# KiCad board LogicBoard_tht2.kicad_pcb
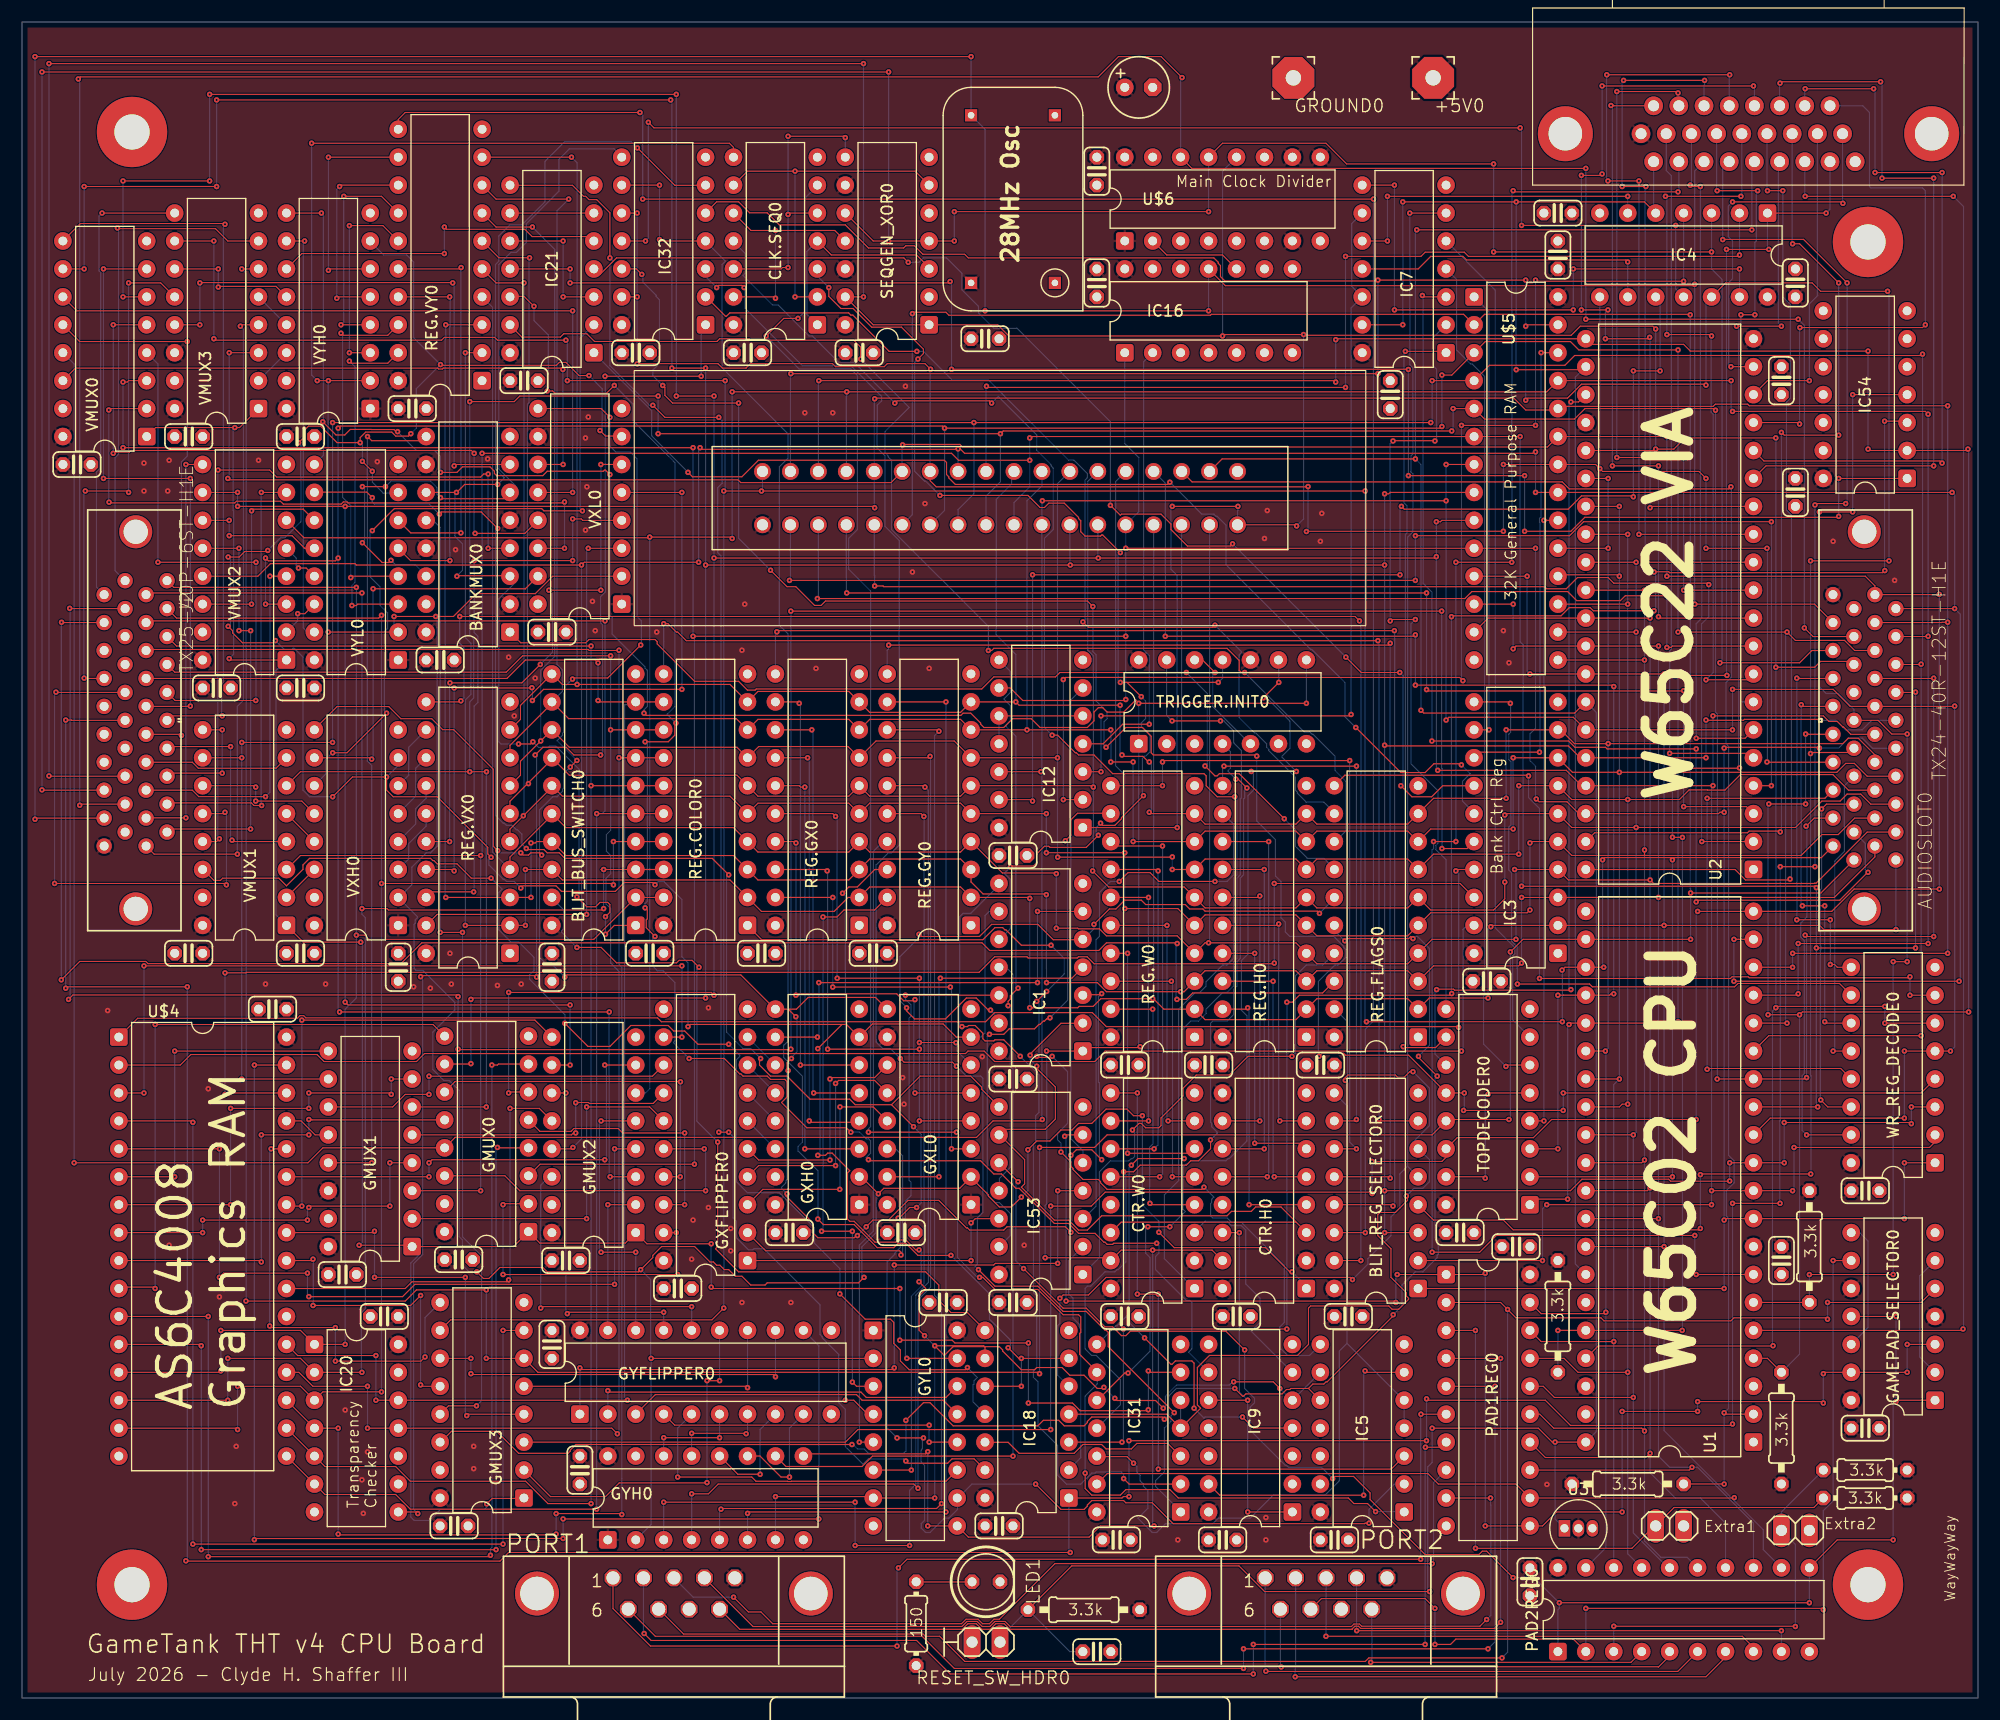
[diagram p0: board, top side]
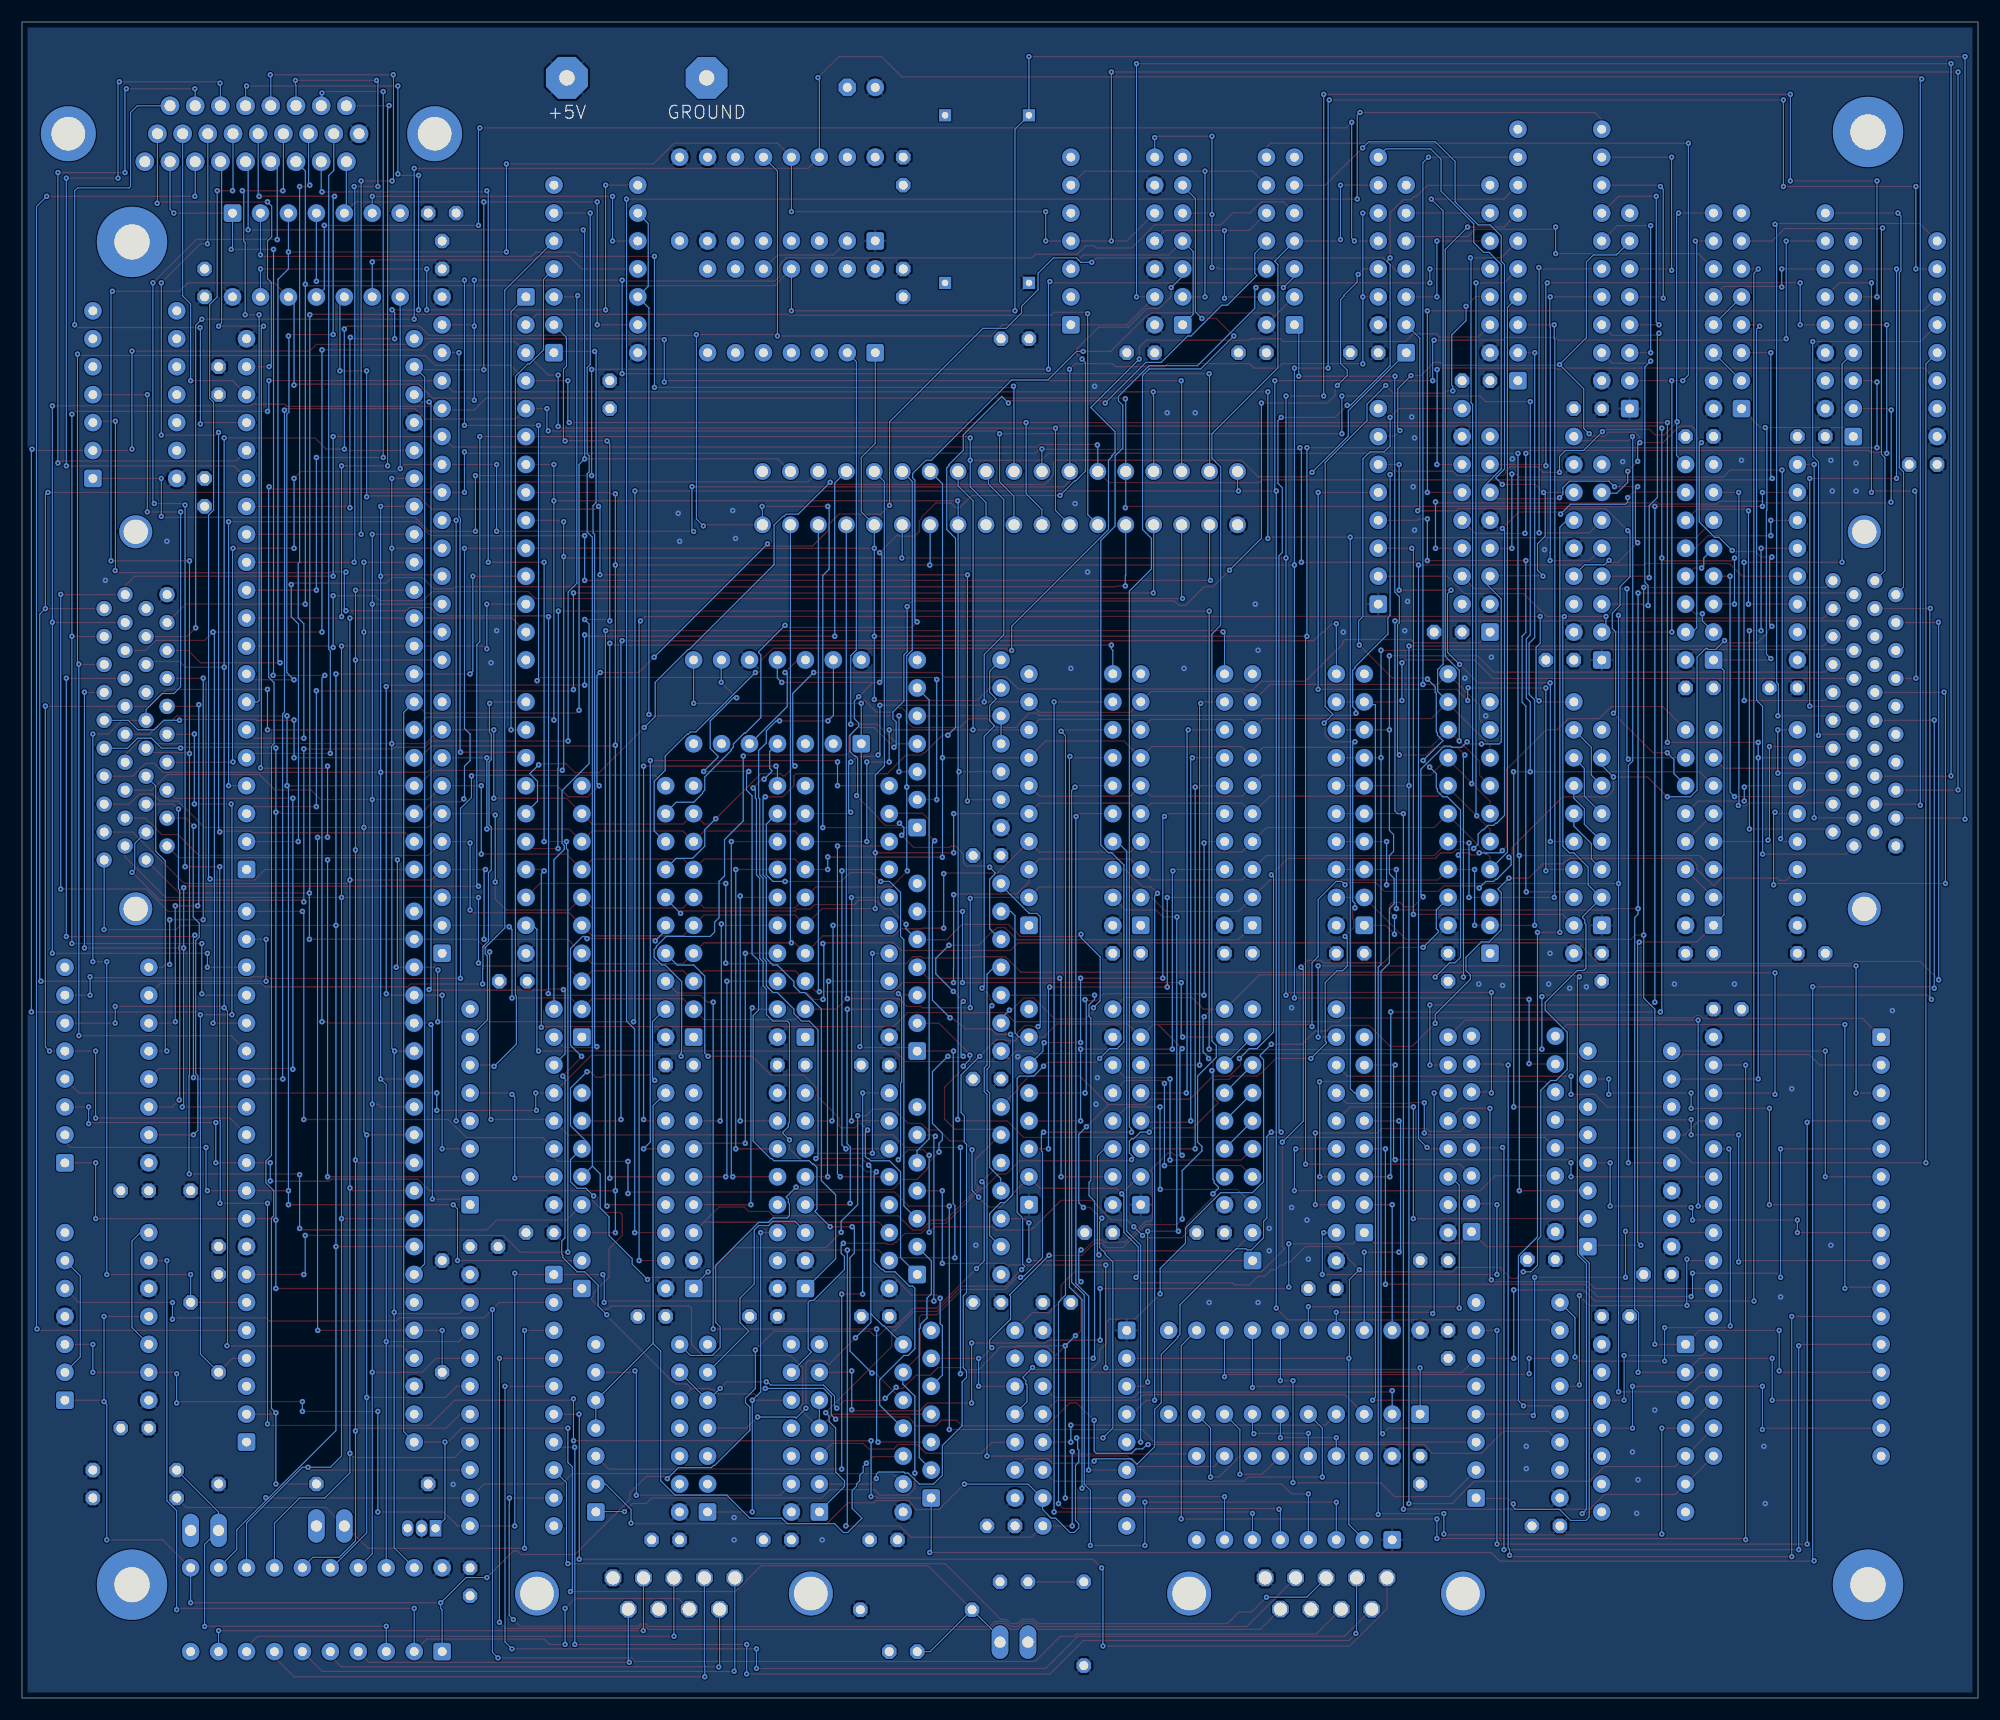
[diagram p1: board, bottom side, seen from below]

Outline 177.8 x 152.4 mm; copper layers: Top, In1.Cu, In2.Cu, Bottom. Coordinates in mm from the lower left corner of the outline.
Outline path: 0,152.4 0,0 177.8,0 177.8,152.4 0,152.4
Stack: Top 0.035mm / dielectric 0.1mm FR4 er 4.5 / In1.Cu 0.035mm / dielectric 1.24mm FR4 er 4.5 / In2.Cu 0.035mm / dielectric 0.1mm FR4 er 4.5 / Bottom 0.035mm

## Placement (name value [footprint] x y rotation side)
+5V0  3,81/1,4  [3,81_1,4]  128.27 147.32 0 top
AUDIOSLOT0  TX24-40R-12ST-H1E  [CON40_2X20_MU_TX24_JAE]  163.47 88.9 90 top
BANKMUX0  74257N  [DIP-16_W7.62mm]  44.36 96.93 180 top
BLIT_BUS_SWITCH0  74640N  [DIP-20_W7.62mm]  55.79 70.26 180 top
BLIT_REG_SELECTOR0  74HC238  [DIP-16_W7.62mm]  126.91 37.24 180 top
C1  C-US025-024X044  [C025-024X044]  77.38 67.72 180 top
C2  C-US025-024X044  [C025-024X044]  100.24 34.7 0 top
C3  C-US025-024X044  [C025-024X044]  107.87 57.56 180 top
C4  C-US025-024X044  [C025-024X044]  110.4 34.7 0 top
C5  C-US025-024X044  [C025-024X044]  100.24 57.56 0 top
C6  C-US025-024X044  [C025-024X044]  67.22 67.72 180 top
C7  C-US025-024X044  [C025-024X044]  49.44 39.78 0 top
C8  C-US025-024X044  [C025-024X044]  39.69 39.87 0 top
C9  C-US025-024X044  [C025-024X044]  39.28 15.65 0 top
C10  C-US025-024X044  [C025-024X044]  109.14 14.38 0 top
C11  C-US025-024X044  [C025-024X044]  88.81 15.65 0 top
C12  C-US025-024X044  [C025-024X044]  65.95 122.33 0 top
C13  C-US025-024X044  [C025-024X044]  32.93 34.7 180 top
C14  C-US025-024X044  [C025-024X044]  167.55 46.13 0 top
C15  C-US025-024X044  [C025-024X044]  159.93 39.78 270 top
C16  C-US025-024X044  [C025-024X044]  50.71 20.73 270 top
C17  C-US025-024X044  [C025-024X044]  161.2 109.63 270 top
C18  C-US025-024X044  [C025-024X044]  76.11 122.33 0 top
C19  C-US025-024X044  [C025-024X044]  119.3 14.38 0 top
C20  C-US025-024X044  [C025-024X044]  118.03 57.56 180 top
C21  C-US025-024X044  [C025-024X044]  25.31 114.71 0 top
C22  C-US025-024X044  [C025-024X044]  25.31 67.72 180 top
C23  C-US025-024X044  [C025-024X044]  69.76 42.32 0 top
C24  C-US025-024X044  [C025-024X044]  45.63 119.79 0 top
C25  C-US025-024X044  [C025-024X044]  48.17 66.45 270 top
C26  C-US025-024X044  [C025-024X044]  25.31 91.85 180 top
C27  C-US025-024X044  [C025-024X044]  48.17 96.93 0 top
C28  C-US025-024X044  [C025-024X044]  83.73 35.97 180 top
C29  C-US025-024X044  [C025-024X044]  79.92 42.32 0 top
C30  C-US025-024X044  [C025-024X044]  161.2 128.68 90 top
C31  C-US025-024X044  [C025-024X044]  35.47 117.25 0 top
C32  C-US025-024X044  [C025-024X044]  34.2 66.45 270 top
C33  C-US025-024X044  [C025-024X044]  124.37 118.52 270 top
C34  C-US025-024X044  [C025-024X044]  135.8 41.05 0 top
C35  C-US025-024X044  [C025-024X044]  137.07 10.57 270 top
C36  C-US025-024X044  [C025-024X044]  167.55 24.54 0 top
C38  C-US025-024X044  [C025-024X044]  159.93 119.79 270 top
C39  C-US025-024X044  [C025-024X044]  139.61 131.22 90 top
C40  C-US025-024X044  [C025-024X044]  90.08 76.61 0 top
C41  C-US025-024X044  [C025-024X044]  97.7 128.67 270 top
C42  C-US025-024X044  [C025-024X044]  97.7 138.84 270 top
C43  C-US025-024X044  [C025-024X044]  87.54 123.6 0 top
C44  C-US025-024X044  [C025-024X044]  130.72 42.32 0 top
C45  C-US025-024X044  [C025-024X044]  120.56 34.7 0 top
C46  C-US025-024X044  [C025-024X044]  59.6 37.24 0 top
C47  0.1uF  [C025-024X044]  97.7 4.22 0 top
C48  0.1uF  [C025-024X044]  15.15 114.71 0 top
C49  0.1uF  [C025-024X044]  15.15 67.72 180 top
C50  0.1uF  [C025-024X044]  133.15 65.18 0 top
C51  0.1uF  [C025-024X044]  38.01 94.39 0 top
C52  0.1uF  [C025-024X044]  22.77 62.64 180 top
C53  0.1uF  [C025-024X044]  57.06 67.72 180 top
C54  0.1uF  [C025-024X044]  99.48 14.38 0 top
C55  0.1uF  [C025-024X044]  17.69 91.85 0 top
C56  0.1uF  [C025-024X044]  4.99 112.17 0 top
C57  C-US025-024X044  [C025-024X044]  139.61 135.03 180 top
C58  CPOL-USE2.5-6  [E2,5-6]  101.51 146.46 0 top
C59  0.1uF  [C025-024X044]  48.17 32.16 270 top
C60  0.1uF  [C025-024X044]  90.08 35.97 0 top
C61  0.1uF  [C025-024X044]  90.08 56.29 0 top
C62  0.1uF  [C025-024X044]  55.79 122.33 0 top
C63  0.1uF  [C025-024X044]  29.12 38.51 0 top
CLK.SEQ0  7408N  [DIP-14_W7.62mm]  72.3 124.87 180 top
CTR.H0  CD40103  [DIP-16_W7.62mm]  116.75 37.24 180 top
CTR.W0  CD40103  [DIP-16_W7.62mm]  106.59 37.24 180 top
EXTRA_BUTTON_1  PINHD-1X2  [1X02]  149.77 15.65 0 top
EXTRA_BUTTON_2  PINHD-1X2  [1X02]  161.2 15.24 0 top
GAMEPAD_SELECTOR0  7474N  [DIP-14_W7.62mm]  173.9 27.08 180 top
GMUX0  74257N  [DIP-16_W7.62mm]  46.04 42.41 180 top
GMUX1  74257N  [DIP-16_W7.62mm]  35.47 41.05 180 top
GMUX2  74257N  [DIP-16_W7.62mm]  55.79 42.32 180 top
GMUX3  74257N  [DIP-16_W7.62mm]  45.63 18.19 180 top
GROUND0  3,81/1,4  [3,81_1,4]  115.57 147.32 0 top
GXFLIPPER0  74AHC8541  [DIP-20_W7.62mm]  65.95 39.78 180 top
GXH0  74HC163  [DIP-16_W7.62mm]  76.11 44.86 180 top
GXL0  74HC163  [DIP-16_W7.62mm]  86.27 44.86 180 top
GYFLIPPER0  74AHC8541  [DIP-20_W7.62mm]  50.71 25.81 90 top
GYH0  74HC163  [DIP-16_W7.62mm]  53.25 14.38 90 top
GYL0  74HC163  [DIP-16_W7.62mm]  77.39 33.43 0 top
H1  MountingHole_Pad  [MountingHole_3.2mm_M3_Pad_TopBottom]  10 142.4 0 top
H2  MountingHole_Pad  [MountingHole_3.2mm_M3_Pad_TopBottom]  10 10.3 0 top
H3  MountingHole_Pad  [MountingHole_3.2mm_M3_Pad_TopBottom]  167.8 10.3 0 top
H4  MountingHole_Pad  [MountingHole_3.2mm_M3_Pad_TopBottom]  167.8 132.4 0 top
IC1  7408N  [DIP-14_W7.62mm]  96.43 58.83 180 top
IC3  74573N  [DIP-20_W7.62mm]  139.61 67.72 180 top
IC4  7404N  [DIP-14_W7.62mm]  158.66 135.02 270 top
IC5  7400N  [DIP-14_W7.62mm]  125.64 16.92 180 top
IC7  7408N  [DIP-14_W7.62mm]  129.45 122.33 180 top
IC9  7474N  [DIP-14_W7.62mm]  115.48 16.92 180 top
IC12  7408N  [DIP-14_W7.62mm]  96.43 79.15 180 top
IC16  7404N  [DIP-14_W7.62mm]  100.24 122.33 90 top
IC18  7432N  [DIP-14_W7.62mm]  95.16 18.19 180 top
IC20  7430N  [DIP-14_W7.62mm]  26.59 32.16 0 top
IC21  7400N  [DIP-14_W7.62mm]  51.98 122.33 180 top
IC31  7400N  [DIP-14_W7.62mm]  105.32 16.92 180 top
IC32  7432N  [DIP-14_W7.62mm]  62.14 124.87 180 top
IC53  7404N  [DIP-14_W7.62mm]  96.43 38.51 180 top
IC54  7407N  [DIP-14_W7.62mm]  171.36 110.9 180 top
J1  Conn_01x26_Socket  [HDL26-SL-B]  148.31 139.7 0 top
J2  TX25-40P-6ST-H1E  [CON40_2X20_MU_TX25_JAE]  14.33 88.9 270 top
LED1  -  [LED5MM]  87.63 10.57 0 top
PAD1REG0  74573N  [DIP-20_W7.62mm]  129.46 38.51 0 top
PAD2REG0  74573N  [DIP-20_W7.62mm]  139.61 4.22 90 top
PORT1  M09-182  [182-009-MALE]  59.26 0 0 top
PORT2  M09-182  [182-009-MALE]  118.54 0 0 top
R1  3.3k  [0207_10]  145.96 19.46 180 top
R2  3.3k  [0207_10]  96.52 8.03 180 top
R3  3.3k  [0207_10]  162.47 41.05 270 top
R4  3.3k  [0207_10]  159.93 24.54 90 top
R5  3.3k  [0207_10]  139.61 34.7 90 top
R6  3.3k  [0204_7]  167.55 20.73 180 top
R7  3.3k  [0204_7]  167.55 18.19 180 top
R16  150  [0204_7]  81.28 6.76 90 top
REG.COLOR0  74573N  [DIP-20_W7.62mm]  65.95 70.26 180 top
REG.FLAGS0  74573N  [DIP-20_W7.62mm]  126.91 60.1 180 top
REG.GX0  74573N  [DIP-20_W7.62mm]  76.11 70.26 180 top
REG.GY0  74573N  [DIP-20_W7.62mm]  86.27 70.26 180 top
REG.H0  74573N  [DIP-20_W7.62mm]  116.75 60.1 180 top
REG.VX0  74573N  [DIP-20_W7.62mm]  44.36 67.72 180 top
REG.VY0  74573N  [DIP-20_W7.62mm]  41.82 119.79 180 top
REG.W0  74573N  [DIP-20_W7.62mm]  106.59 60.1 180 top
RESET_SW_HDR0  PINHD-1X2  [1X02]  87.63 5.08 0 top
SEQGEN_XOR0  7486N  [DIP-14_W7.62mm]  82.46 124.87 180 top
TOPDECODER0  74139N  [DIP-16_W7.62mm]  137.07 44.86 180 top
TRIGGER.INIT0  7474N  [DIP-14_W7.62mm]  101.51 86.77 90 top
U1  W65C02SP  [DIP-40_W15.24mm]  157.39 23.27 180 top
U2  VIA  [DIP-40_W15.24mm]  157.39 75.34 180 top
U3  MCP100-475D  [TO-92_Inline]  140.21 15.43 0 top
U$2  OSCILLATORMODULEDIL14  [CRYSTAL800MIL]  93.89 128.68 90 top
U$3  GT_CART3GT_SLOT  [SLOT36]  88.9 106.68 0 top
U$4  AS6C4008  [DIP-32_W15.24mm]  8.8 60.1 0 top
U$5  SRAM_32K  [DIP-28_W7.62mm]  132 127.41 0 top
U$6  74HC163  [DIP-16_W7.62mm]  100.24 132.49 90 top
VMUX0  74257N  [DIP-16_W7.62mm]  11.34 114.71 180 top
VMUX1  74257N  [DIP-16_W7.62mm]  24.04 70.26 180 top
VMUX2  74257N  [DIP-16_W7.62mm]  24.04 94.39 180 top
VMUX3  74257N  [DIP-16_W7.62mm]  21.5 117.25 180 top
VXH0  74HC163  [DIP-16_W7.62mm]  34.2 70.26 180 top
VXL0  74HC163  [DIP-16_W7.62mm]  54.52 99.47 180 top
VYH0  74HC163  [DIP-16_W7.62mm]  31.66 117.25 180 top
VYL0  74HC163  [DIP-16_W7.62mm]  34.2 94.39 180 top
WR_REG_DECODE0  74HC238  [DIP-16_W7.62mm]  173.9 48.67 180 top

## Library data of the parts
BANKMUX0 BLIT_BUS_SWITCH0 BLIT_REG_SELECTOR0 CLK.SEQ0 CTR.H0 CTR.W0 GAMEPAD_SELECTOR0 GMUX0-GMUX3 GXFLIPPER0 GXH0 GXL0 GYFLIPPER0 GYH0 GYL0 IC1 IC3-IC5 IC7 IC9 IC12 IC16 IC18 IC20 IC21 IC31 IC32 IC53 IC54 PAD1REG0 PAD2REG0 REG.COLOR0 REG.FLAGS0 REG.GX0 REG.GY0 REG.H0 REG.VX0 REG.VY0 REG.W0 SEQGEN_XOR0 TOPDECODER0 TRIGGER.INIT0 U1 U2 U$4-U$6 VMUX0-VMUX3 VXH0 VXL0 VYH0 VYL0 WR_REG_DECODE0 = -: KiLib_Generator: package/DIP/legacy
H1-H4 = -: KiLib_Generator: mounting_hardware/mounting_hole; MPN: DNI; ki_fp_filters: MountingHole*Pad*
J1 = -: MPN: HDL26-SL-B; ki_fp_filters: Connector*:*_1x??_*
U3 = -: Datasheet: http://ww1.microchip.com/downloads/en/DeviceDoc/11187f.pdf; Description: Microcontroller reset monitor, 4.75V threshold, active low output; ki_fp_filters: SOT?23* TO?92*

## Footprints (pads in the part's own frame, mm; a bottom-side part is the same pattern mirrored in y, then rotated)
1X02
  oval 1.524x3.048 hole 1.016: 1(-1.27,0) 2(1.27,0)
3,81_1,4
  rrect 3.81x3.81 hole 1.397: 1(0,0)
182-009-MALE
  round 4 hole 3.048: (-12.446,9.501) (12.446,9.501)
  rrect 1.524x1.524 hole 1.194: 1(-5.537,10.923) 2(-2.769,10.923) 3(0,10.923) 4(2.769,10.923) 5(5.537,10.923) 6(-4.153,8.08) 7(-1.384,8.08) 8(1.384,8.08) 9(4.153,8.08)
0204_7
  rrect 1.321x1.321 hole 0.813: 1(-3.81,0) 2(3.81,0)
0207_10
  rrect 1.321x1.321 hole 0.813: 1(-5.08,0) 2(5.08,0)
C025-024X044
  rrect 1.321x1.321 hole 0.813: 1(-1.27,0) 2(1.27,0)
CON40_2X20_MU_TX24_JAE
  round 1.397 hole 0.813: 1(11.43,-1.143) 2(10.16,-3.048) 3(8.89,-1.143) 4(7.62,-3.048) 5(6.35,-1.143) 6(5.08,-3.048) 7(3.81,-1.143) 8(2.54,-3.048) 9(1.27,-1.143) 10(0,-3.048) 11(-1.27,-1.143) 12(-2.54,-3.048) 13(-3.81,-1.143) 14(-5.08,-3.048) 15(-6.35,-1.143) 16(-7.62,-3.048) 17(-8.89,-1.143) 18(-10.16,-3.048) 19(-11.43,-1.143) 20(-12.7,-3.048) 21(11.43,-4.953) 22(10.16,-6.858) 23(8.89,-4.953) 24(7.62,-6.858) 25(6.35,-4.953) 26(5.08,-6.858) 27(3.81,-4.953) 28(2.54,-6.858) 29(1.27,-4.953) 30(0,-6.858) 31(-1.27,-4.953) 32(-2.54,-6.858) 33(-3.81,-4.953) 34(-5.08,-6.858) 35(-6.35,-4.953) 36(-7.62,-6.858) 37(-8.89,-4.953) 38(-10.16,-6.858) 39(-11.43,-4.953) 40(-12.7,-6.858)
  round 3 hole 2.21: 41(-17.145,-3.988) 42(17.145,-3.988)
CON40_2X20_MU_TX25_JAE
  round 1.397 hole 0.813: 1(11.43,-6.858) 2(10.16,-4.953) 3(8.89,-6.858) 4(7.62,-4.953) 5(6.35,-6.858) 6(5.08,-4.953) 7(3.81,-6.858) 8(2.54,-4.953) 9(1.27,-6.858) 10(0,-4.953) 11(-1.27,-6.858) 12(-2.54,-4.953) 13(-3.81,-6.858) 14(-5.08,-4.953) 15(-6.35,-6.858) 16(-7.62,-4.953) 17(-8.89,-6.858) 18(-10.16,-4.953) 19(-11.43,-6.858) 20(-12.7,-4.953) 21(11.43,-3.048) 22(10.16,-1.143) 23(8.89,-3.048) 24(7.62,-1.143) 25(6.35,-3.048) 26(5.08,-1.143) 27(3.81,-3.048) 28(2.54,-1.143) 29(1.27,-3.048) 30(0,-1.143) 31(-1.27,-3.048) 32(-2.54,-1.143) 33(-3.81,-3.048) 34(-5.08,-1.143) 35(-6.35,-3.048) 36(-7.62,-1.143) 37(-8.89,-3.048) 38(-10.16,-1.143) 39(-11.43,-3.048) 40(-12.7,-1.143)
  round 3 hole 2.21: 41(-17.145,-3.988) 42(17.145,-3.988)
CRYSTAL800MIL
  rect 1.108x1.108 hole 0.6: P$1(0,0) P$2(15.24,0) P$3(0,7.62) P$4(15.24,7.62)
DIP-14_W7.62mm
  rrect 1.6x1.6 hole 0.8: 1(0,0)
  round 1.6 hole 0.8: 2(0,-2.54) 3(0,-5.08) 4(0,-7.62) 5(0,-10.16) 6(0,-12.7) 7(0,-15.24) 8(7.62,-15.24) 9(7.62,-12.7) 10(7.62,-10.16) 11(7.62,-7.62) 12(7.62,-5.08) 13(7.62,-2.54) 14(7.62,0)
DIP-16_W7.62mm
  rrect 1.6x1.6 hole 0.8: 1(0,0)
  round 1.6 hole 0.8: 2(0,-2.54) 3(0,-5.08) 4(0,-7.62) 5(0,-10.16) 6(0,-12.7) 7(0,-15.24) 8(0,-17.78) 9(7.62,-17.78) 10(7.62,-15.24) 11(7.62,-12.7) 12(7.62,-10.16) 13(7.62,-7.62) 14(7.62,-5.08) 15(7.62,-2.54) 16(7.62,0)
DIP-20_W7.62mm
  rrect 1.6x1.6 hole 0.8: 1(0,0)
  round 1.6 hole 0.8: 2(0,-2.54) 3(0,-5.08) 4(0,-7.62) 5(0,-10.16) 6(0,-12.7) 7(0,-15.24) 8(0,-17.78) 9(0,-20.32) 10(0,-22.86) 11(7.62,-22.86) 12(7.62,-20.32) 13(7.62,-17.78) 14(7.62,-15.24) 15(7.62,-12.7) 16(7.62,-10.16) 17(7.62,-7.62) 18(7.62,-5.08) 19(7.62,-2.54) 20(7.62,0)
DIP-28_W7.62mm
  rrect 1.6x1.6 hole 0.8: 1(0,0)
  round 1.6 hole 0.8: 2(0,-2.54) 3(0,-5.08) 4(0,-7.62) 5(0,-10.16) 6(0,-12.7) 7(0,-15.24) 8(0,-17.78) 9(0,-20.32) 10(0,-22.86) 11(0,-25.4) 12(0,-27.94) 13(0,-30.48) 14(0,-33.02) 15(7.62,-33.02) 16(7.62,-30.48) 17(7.62,-27.94) 18(7.62,-25.4) 19(7.62,-22.86) 20(7.62,-20.32) 21(7.62,-17.78) 22(7.62,-15.24) 23(7.62,-12.7) 24(7.62,-10.16) 25(7.62,-7.62) 26(7.62,-5.08) 27(7.62,-2.54) 28(7.62,0)
DIP-32_W15.24mm
  rrect 1.6x1.6 hole 0.8: 1(0,0)
  round 1.6 hole 0.8: 2(0,-2.54) 3(0,-5.08) 4(0,-7.62) 5(0,-10.16) 6(0,-12.7) 7(0,-15.24) 8(0,-17.78) 9(0,-20.32) 10(0,-22.86) 11(0,-25.4) 12(0,-27.94) 13(0,-30.48) 14(0,-33.02) 15(0,-35.56) 16(0,-38.1) 17(15.24,-38.1) 18(15.24,-35.56) 19(15.24,-33.02) 20(15.24,-30.48) 21(15.24,-27.94) 22(15.24,-25.4) 23(15.24,-22.86) 24(15.24,-20.32) 25(15.24,-17.78) 26(15.24,-15.24) 27(15.24,-12.7) 28(15.24,-10.16) 29(15.24,-7.62) 30(15.24,-5.08) 31(15.24,-2.54) 32(15.24,0)
DIP-40_W15.24mm
  rrect 1.6x1.6 hole 0.8: 1(0,0)
  round 1.6 hole 0.8: 2(0,-2.54) 3(0,-5.08) 4(0,-7.62) 5(0,-10.16) 6(0,-12.7) 7(0,-15.24) 8(0,-17.78) 9(0,-20.32) 10(0,-22.86) 11(0,-25.4) 12(0,-27.94) 13(0,-30.48) 14(0,-33.02) 15(0,-35.56) 16(0,-38.1) 17(0,-40.64) 18(0,-43.18) 19(0,-45.72) 20(0,-48.26) 21(15.24,-48.26) 22(15.24,-45.72) 23(15.24,-43.18) 24(15.24,-40.64) 25(15.24,-38.1) 26(15.24,-35.56) 27(15.24,-33.02) 28(15.24,-30.48) 29(15.24,-27.94) 30(15.24,-25.4) 31(15.24,-22.86) 32(15.24,-20.32) 33(15.24,-17.78) 34(15.24,-15.24) 35(15.24,-12.7) 36(15.24,-10.16) 37(15.24,-7.62) 38(15.24,-5.08) 39(15.24,-2.54) 40(15.24,0)
E2,5-6
  round 1.6 hole 0.813: +(-1.27,0)
  rrect 1.6x1.6 hole 0.813: -(1.27,0)
HDL26-SL-B
  round 1.7 hole 1: 1(0,0) 2(2.29,0) 3(4.58,0) 4(6.87,0) 5(9.16,0) 6(11.45,0) 7(13.74,0) 8(16.03,0) 9(18.32,0) 10(-1.145,2.54) 11(1.145,2.54) 12(3.435,2.54) 13(5.725,2.54) 14(8.015,2.54) 15(10.305,2.54) 16(12.595,2.54) 17(14.885,2.54) 18(17.175,2.54) 19(0,5.08) 20(2.29,5.08) 21(4.58,5.08) 22(6.87,5.08) 23(9.16,5.08) 24(11.45,5.08) 25(13.74,5.08) 26(16.03,5.08)
  round 5 hole 3.05: G(-8.025,2.54) G(25.275,2.54)
LED5MM
  rrect 1.321x1.321 hole 0.813: A(-1.27,0) K(1.27,0)
MountingHole_3.2mm_M3_Pad_TopBottom
  round 3.6 hole 3.2: 1(0,0)
  round 6.4 smd: 1(0,0)
  round 6.4 smd far side: 1(0,0)
SLOT36
  round 1.524 hole 1.016: P$1(-21.59,0) P$2(-19.05,0) P$3(-16.51,0) P$4(-13.97,0) P$5(-11.43,0) P$6(-8.89,0) P$7(-6.35,0) P$8(-3.81,0) P$9(-1.27,0) P$10(1.27,0) P$11(3.81,0) P$12(6.35,0) P$13(8.89,0) P$14(11.43,0) P$15(13.97,0) P$16(16.51,0) P$17(19.05,0) P$18(21.59,0) P$19(-21.59,4.851) P$20(-19.05,4.851) P$21(-16.51,4.851) P$22(-13.97,4.851) P$23(-11.43,4.851) P$24(-8.89,4.851) P$25(-6.35,4.851) P$26(-3.81,4.851) P$27(-1.27,4.851) P$28(1.27,4.851) P$29(3.81,4.851) P$30(6.35,4.851) P$31(8.89,4.851) P$32(11.43,4.851) P$33(13.97,4.851) P$34(16.51,4.851) P$35(19.05,4.851) P$36(21.59,4.851)
TO-92_Inline
  rect 1.05x1.5 hole 0.75: 1(0,0)
  oval 1.05x1.5 hole 0.75: 2(1.27,0) 3(2.54,0)

## Nets
GND: AUDIOSLOT0.2 BANKMUX0.8 BANKMUX0.15 BLIT_BUS_SWITCH0.10 BLIT_REG_SELECTOR0.8 C1.2 C2.2 C3.2 C4.2 C5.2 C6.2 C7.2 C8.2 C9.2 C10.2 C11.2 C12.2 C13.2 C14.2 C15.2 C16.2 C17.2 C18.2 C19.2 C20.2 C21.2 C22.2 C23.2 C24.2 C25.2 C26.2 C27.2 C28.2 C29.2 C30.2 C31.2 C32.2 C33.2 C34.2 C35.2 C36.2 C38.2 C39.2 C40.2 C41.2 C42.2 C43.2 C44.2 C45.2 C46.2 C47.2 C48.2 C49.2 C50.2 C51.2 C52.2 C53.2 C54.2 C55.2 C56.2 C57.2 C58.- C59.2 C60.2 C61.2 C62.2 C63.2 CLK.SEQ0.7 CTR.H0.8 CTR.H0.13 CTR.W0.8 CTR.W0.13 EXTRA_BUTTON_1.2 EXTRA_BUTTON_2.2 GAMEPAD_SELECTOR0.7 GMUX0.8 GMUX0.15 GMUX1.8 GMUX1.15 GMUX2.8 GMUX2.15 GMUX3.8 GMUX3.15 GROUND0.1 GXFLIPPER0.10 GXFLIPPER0.11 GXH0.8 GXL0.8 GYFLIPPER0.10 GYFLIPPER0.11 GYH0.8 GYL0.8 H1.1 H2.1 H3.1 H4.1 IC1.7 IC3.1 IC3.10 IC4.7 IC5.7 IC7.7 IC9.2 IC9.3 IC9.7 IC9.11 IC9.12 IC12.7 IC16.7 IC18.7 IC20.7 IC21.7 IC31.7 IC32.7 IC53.7 IC54.7 J1.9 J2.2 LED1.K PAD1REG0.10 PAD2REG0.10 PORT1.8 PORT2.8 REG.COLOR0.10 REG.FLAGS0.1 REG.FLAGS0.10 REG.GX0.1 REG.GX0.10 REG.GY0.1 REG.GY0.10 REG.H0.1 REG.H0.10 REG.VX0.1 REG.VX0.10 REG.VY0.1 REG.VY0.10 REG.W0.1 REG.W0.10 RESET_SW_HDR0.1 SEQGEN_XOR0.2 SEQGEN_XOR0.5 SEQGEN_XOR0.7 TOPDECODER0.8 TRIGGER.INIT0.2 TRIGGER.INIT0.3 TRIGGER.INIT0.7 U1.21 U2.1 U3.3 U$2.P$2 U$3.P$36 U$4.16 U$4.22 U$5.14 U$6.3 U$6.4 U$6.5 U$6.6 VMUX0.8 VMUX0.15 VMUX1.8 VMUX1.15 VMUX2.8 VMUX2.15 VMUX3.8 VMUX3.15 VXH0.8 VYH0.8 VYL0.8 WR_REG_DECODE0.8
VCC: +5V0.1 AUDIOSLOT0.1 BANKMUX0.2 BANKMUX0.5 BANKMUX0.10 BANKMUX0.13 BANKMUX0.16 BLIT_BUS_SWITCH0.20 BLIT_REG_SELECTOR0.16 C1.1 C2.1 C3.1 C4.1 C5.1 C6.1 C7.1 C8.1 C9.1 C10.1 C11.1 C12.1 C13.1 C14.1 C15.1 C16.1 C17.1 C18.1 C19.1 C20.1 C21.1 C22.1 C23.1 C24.1 C25.1 C26.1 C27.1 C28.1 C29.1 C30.1 C31.1 C32.1 C33.1 C34.1 C35.1 C36.1 C38.1 C39.1 C40.1 C41.1 C42.1 C43.1 C44.1 C45.1 C46.1 C48.1 C49.1 C50.1 C51.1 C52.1 C53.1 C54.1 C55.1 C56.1 C57.1 C58.+ C59.1 C60.1 C61.1 C62.1 C63.1 CLK.SEQ0.14 CTR.H0.2 CTR.H0.9 CTR.H0.16 CTR.W0.2 CTR.W0.16 GAMEPAD_SELECTOR0.4 GAMEPAD_SELECTOR0.10 GAMEPAD_SELECTOR0.14 GMUX0.16 GMUX1.14 GMUX1.16 GMUX2.16 GMUX3.16 GXFLIPPER0.20 GXH0.1 GXH0.16 GXL0.1 GXL0.10 GXL0.16 GYFLIPPER0.20 GYH0.1 GYH0.16 GYL0.1 GYL0.16 IC1.14 IC3.20 IC4.14 IC5.14 IC7.14 IC9.14 IC12.14 IC16.14 IC18.14 IC20.14 IC21.14 IC31.14 IC32.14 IC53.14 IC54.14 J1.10 J2.1 PAD1REG0.20 PAD2REG0.20 PORT1.5 PORT2.5 R1.2 R2.1 R3.1 R4.1 R5.2 R6.1 R7.1 R16.1 REG.COLOR0.20 REG.FLAGS0.20 REG.GX0.20 REG.GY0.20 REG.H0.20 REG.VX0.20 REG.VY0.20 REG.W0.20 SEQGEN_XOR0.9 SEQGEN_XOR0.12 SEQGEN_XOR0.14 TOPDECODER0.16 TRIGGER.INIT0.10 TRIGGER.INIT0.14 U1.8 U1.38 U2.20 U2.24 U3.2 U$2.P$3 U$3.P$1 U$4.32 U$5.28 U$6.1 U$6.7 U$6.9 U$6.10 U$6.16 VMUX0.16 VMUX1.16 VMUX2.16 VMUX3.14 VMUX3.16 VXH0.1 VXH0.16 VXL0.1 VXL0.10 VYH0.1 VYH0.16 VYL0.1 VYL0.16 WR_REG_DECODE0.16
/CPU and address decode/_CARTSEL: IC4.2 U$3.P$27
/CPU and address decode/A14: TOPDECODER0.3 U1.24 U$3.P$33
/CPU and address decode/A15: IC4.1 J1.8 TOPDECODER0.1 U1.25
/CPU and address decode/BusEnable: J1.6 R5.1 U1.36
/CPU and address decode/MemLock: J1.7 U1.5
/CPU and address decode/N$37_2: IC7.5 TOPDECODER0.7
/CPU and address decode/N$38_2: IC7.4 TOPDECODER0.6
/CPU and address decode/N$39_2: TOPDECODER0.5 TOPDECODER0.15
/CPU and address decode/R/~{W}: IC4.5 IC7.13 J1.1 U1.34 U2.22
/CPU and address decode/READY: R1.1 U1.2 U$3.P$34
/CPU and address decode/SPI_CLK: U2.2 U$3.P$5
/CPU and address decode/SPI_MISO: U2.9 U$3.P$3
/CPU and address decode/SPI_MOSI: U2.3 U$3.P$4
/CPU and address decode/sync: J1.2 U1.7
/CPU and address decode/W/~{R}: IC4.6 IC7.10
/CPU and address decode/~{RAMSEL}: TOPDECODER0.4 U$5.20